# Altium PCB STB_LightBoard.PcbDoc (part 16 of 31) (continued)
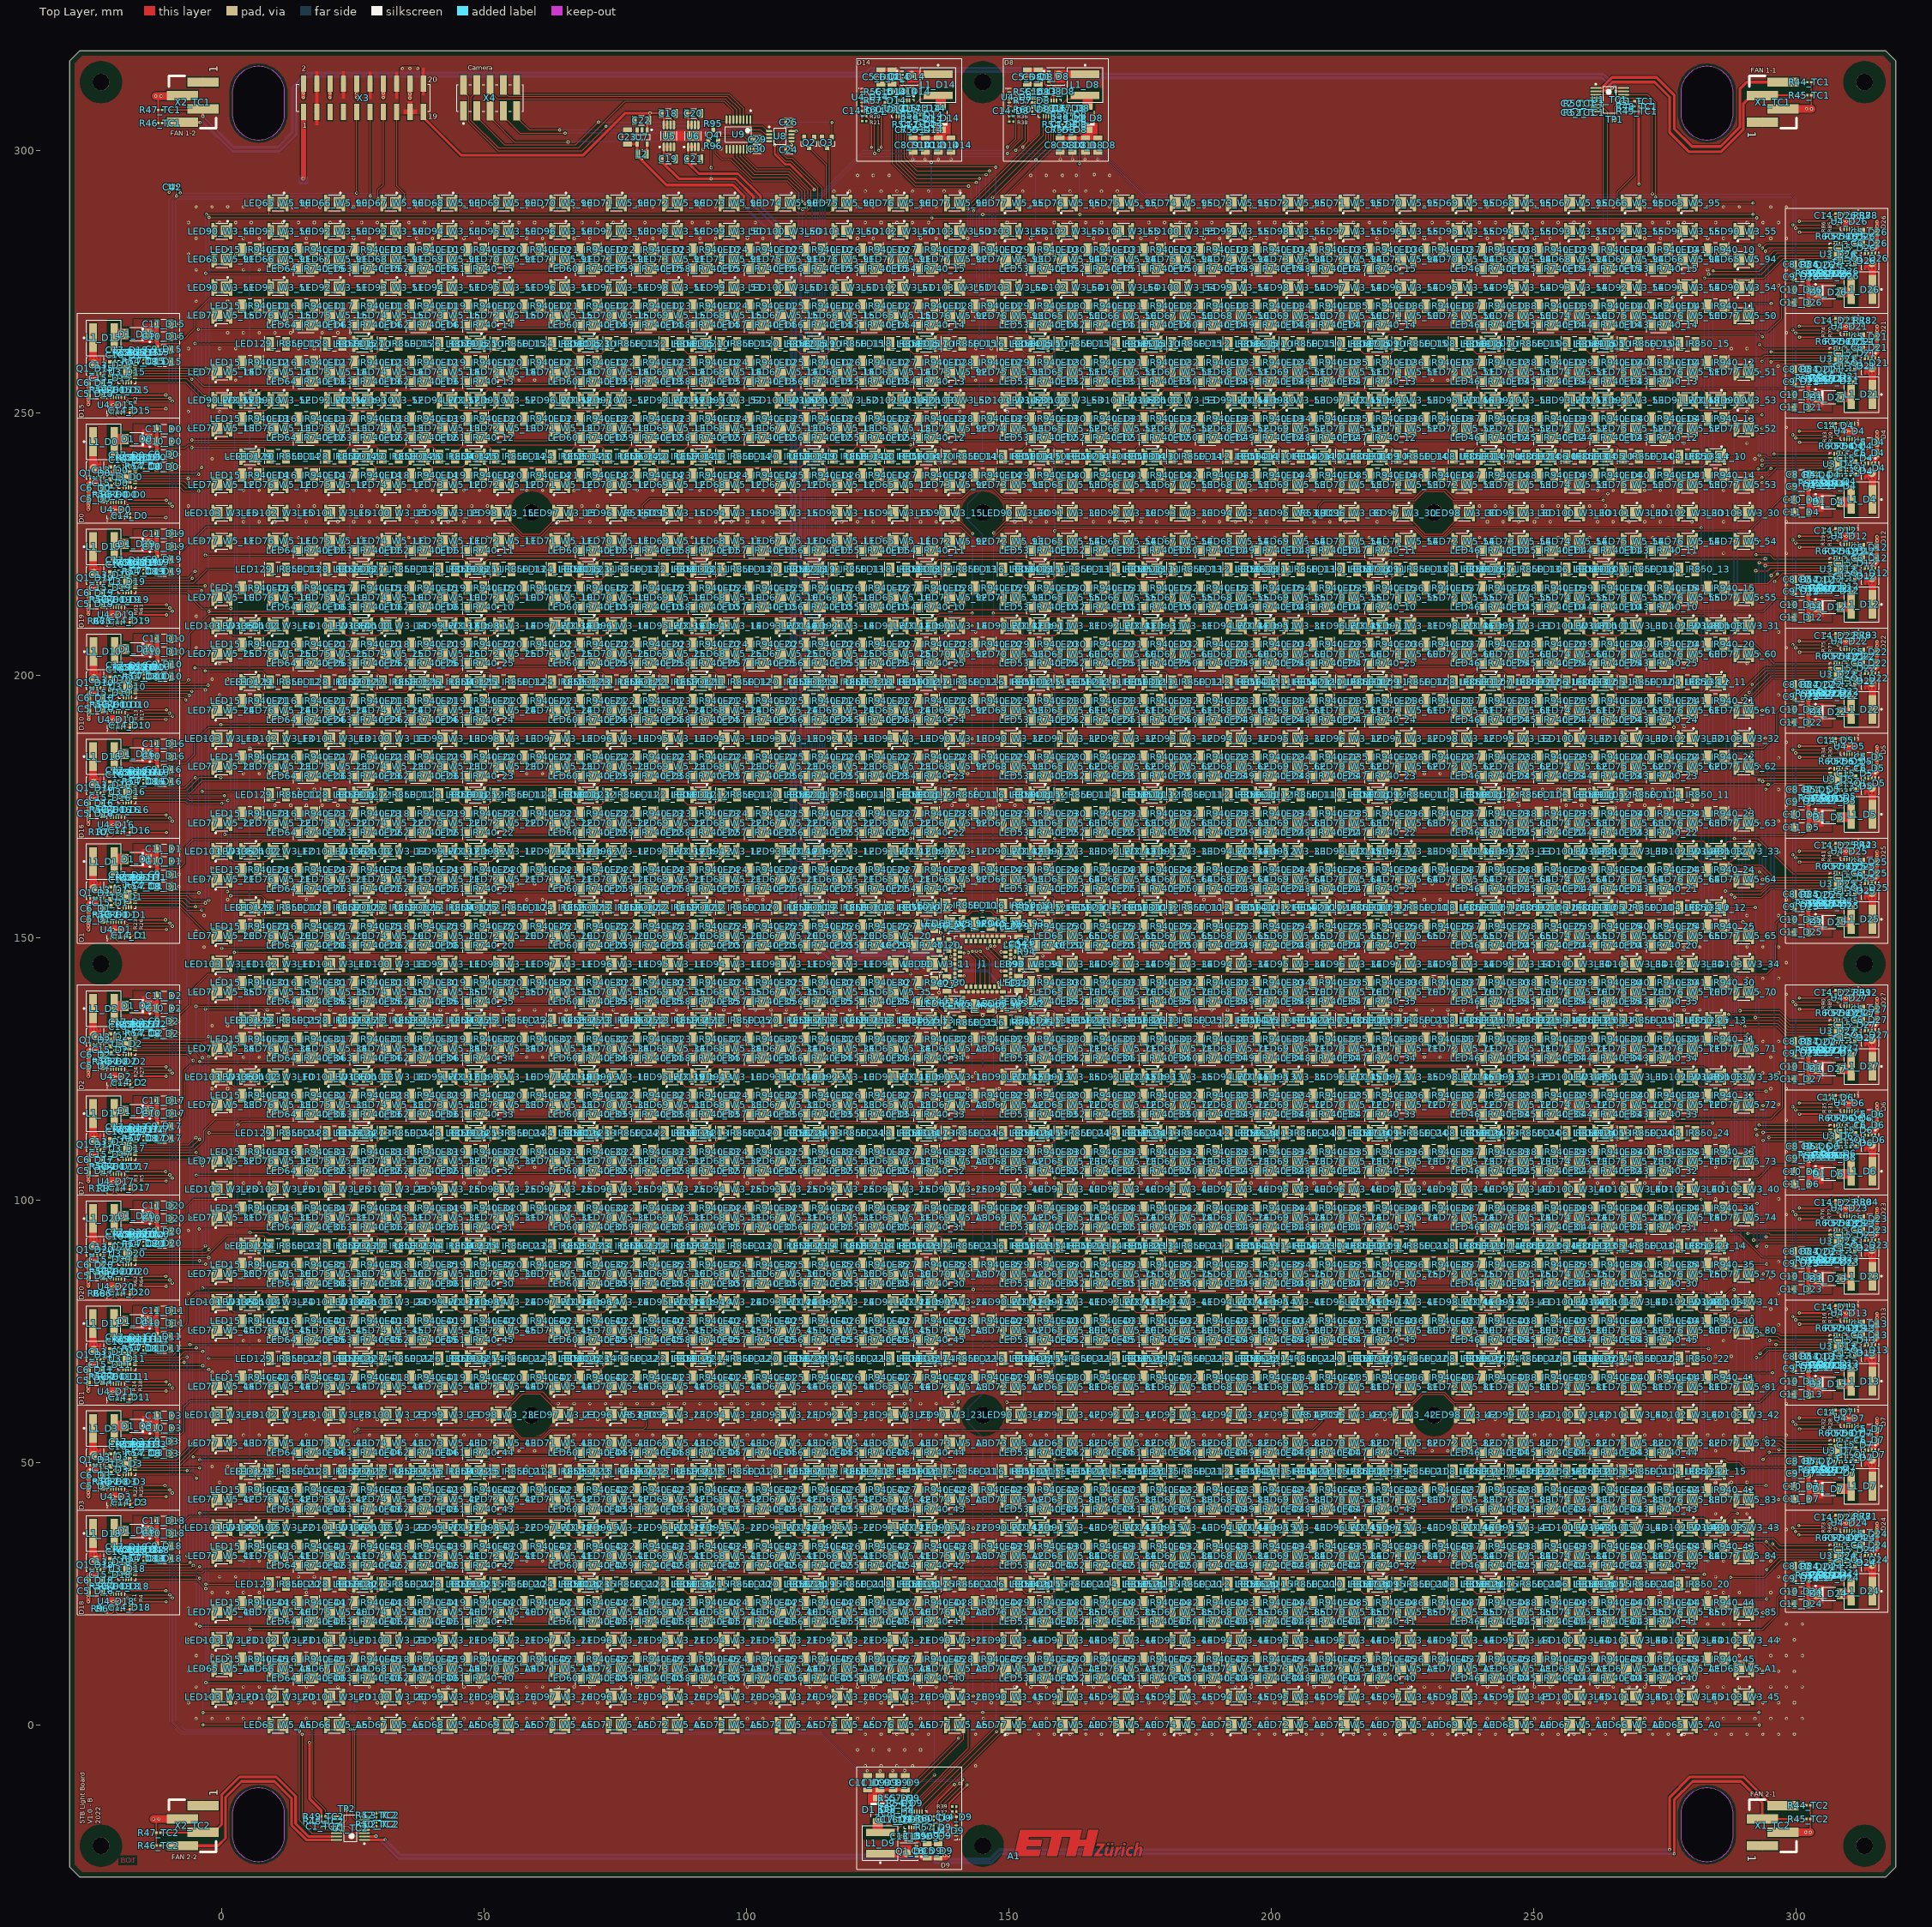
[diagram p0: Top Layer view]
## Nets (pads, with @x,y where several pads share a name; then routed paths per layer and width w, separated by ;. In a path a pad name is that pad's centre, name@x,y a point inside that pad or via, vN(x,y) a via of type N, cw(c..) or ccw(c..) an arc to the next point about the centre after c; other vN are vias at no path point) (continued)
I2C_SDA: U8.3 X4.7 | length 53.7
  Top Layer w0.2: X4.7@53.695,307.507 53.695,306.295 54.205,305.785 54.331,305.785 56.835,303.28 v1(65.439,303.28) ; v1@65.385,303.226 v1(65.439,303.28) ; v1@65.439,303.171 v1(65.439,303.28) ; v1(100.216,303.411) 100.229,303.398 101.213,303.398 101.219,303.404 102.596,303.404 103.527,302.473 104.227,302.473 U8.3@104.3,302.4
  Bottom Layer w0.2: v1(65.439,303.28) 65.504,303.346 100.151,303.346 v1(100.216,303.411)
I2C_SDA_D0: R57_D0.1 U3_D0.6 U4_D0.8 | length 4.7
  Top Layer w0.2: v1(-20.339,236.553) -20.338,236.552 -19.502,236.552 U3_D0.6@-19.5,236.55 ; U4_D0.8@-20.125,233 -20.125,234.164 -19.9,234.389 R57_D0.1@-19.875,234.389 -19.891,234.405 -19.891,234.996 v1(-19.907,235.012)
  Bottom Layer w0.2: v1(-20.339,236.553) -19.907,236.121 v1(-19.907,235.012)
I2C_SDA_D1: R57_D1.1 U3_D1.6 U4_D1.8 | length 4.7
  Top Layer w0.2: v1(-20.339,156.553) v1(-20.339,156.553) -19.502,156.552 U3_D1.6@-19.5,156.55 ; U4_D1.8@-20.125,153 -20.125,154.164 -19.9,154.389 R57_D1.1@-19.875,154.389 -19.891,154.405 -19.891,154.996 v1(-19.907,155.012)
  Bottom Layer w0.2: v1(-20.339,156.553) -19.907,156.121 v1(-19.907,155.012)
I2C_SDA_D2: R57_D2.1 U3_D2.6 U4_D2.8 | length 4.7
  Top Layer w0.2: v1(-20.339,128.553) -20.338,128.552 U3_D2.6@-19.5,128.55 U3_D2.6@-19.5,128.55 ; U4_D2.8@-20.125,125 -20.125,126.164 -19.9,126.389 R57_D2.1@-19.875,126.389 -19.891,126.405 -19.891,126.996 v1(-19.907,127.012)
  Bottom Layer w0.2: v1(-20.339,128.553) -19.907,128.121 v1(-19.907,127.012)
I2C_SDA_D3: R57_D3.1 U3_D3.6 U4_D3.8 | length 4.7
  Top Layer w0.2: v1(-20.339,48.553) -20.338,48.552 U3_D3.6@-19.5,48.55 U3_D3.6@-19.5,48.55 ; U4_D3.8@-20.125,45 -20.125,46.164 -19.9,46.389 R57_D3.1@-19.875,46.389 -19.891,46.405 -19.891,46.996 v1(-19.907,47.012)
  Bottom Layer w0.2: v1(-20.339,48.553) -19.907,48.121 v1(-19.907,47.012)
I2C_SDA_D4: R57_D4.1 U3_D4.6 U4_D4.8 | length 4.7
  Top Layer w0.2: U3_D4.6@309.5,241.45 U3_D4.6@309.5,241.45 310.338,241.448 v1(310.339,241.447) ; v1(309.907,242.988) 309.891,243.004 309.891,243.595 R57_D4.1@309.875,243.611 309.9,243.611 310.125,243.836 U4_D4.8@310.125,245
  Bottom Layer w0.2: v1(309.907,242.988) 309.907,241.879 v1(310.339,241.447)
I2C_SDA_D5: R57_D5.1 U3_D5.6 U4_D5.8 | length 4.7
  Top Layer w0.2: U3_D5.6@309.5,181.45 U3_D5.6@309.5,181.45 310.338,181.448 v1(310.339,181.447) ; v1(309.907,182.988) 309.891,183.004 309.891,183.595 R57_D5.1@309.875,183.611 309.9,183.611 310.125,183.836 U4_D5.8@310.125,185
  Bottom Layer w0.2: v1(309.907,182.988) 309.907,181.879 v1(310.339,181.447)
I2C_SDA_D6: R57_D6.1 U3_D6.6 U4_D6.8 | length 4.7
  Top Layer w0.2: U3_D6.6@309.5,113.45 309.502,113.448 v1(310.339,113.447) v1(310.339,113.447) ; v1(309.907,114.988) 309.891,115.004 309.891,115.595 R57_D6.1@309.875,115.611 309.9,115.611 310.125,115.836 U4_D6.8@310.125,117
  Bottom Layer w0.2: v1(309.907,114.988) 309.907,113.879 v1(310.339,113.447)
I2C_SDA_D7: R57_D7.1 U3_D7.6 U4_D7.8 | length 4.7
  Top Layer w0.2: U3_D7.6@309.5,53.45 309.502,53.448 310.338,53.448 v1(310.339,53.447) ; v1(309.907,54.988) 309.891,55.004 309.891,55.595 R57_D7.1@309.875,55.611 309.9,55.611 310.125,55.836 U4_D7.8@310.125,57
  Bottom Layer w0.2: v1(309.907,54.988) 309.907,53.879 v1(310.339,53.447)
I2C_SDA_D8: R57_D8.1 U3_D8.6 U4_D8.8 | length 4.7
  Top Layer w0.2: U4_D8.8@153,310.125 154.164,310.125 154.389,309.9 R57_D8.1@154.389,309.875 154.405,309.891 154.996,309.891 v1(155.012,309.907) ; U3_D8.6@156.55,309.5 156.552,309.502 v1(156.553,310.339) v1(156.553,310.339)
  Bottom Layer w0.2: v1(155.012,309.907) 156.121,309.907 v1(156.553,310.339)
I2C_SDA_D9: R57_D9.1 U3_D9.6 U4_D9.8 | length 4.7
  Top Layer w0.2: v1(133.447,-20.339) 133.448,-20.338 133.448,-19.502 U3_D9.6@133.45,-19.5 ; v1(134.988,-19.907) 135.004,-19.891 135.595,-19.891 R57_D9.1@135.611,-19.875 135.611,-19.9 135.836,-20.125 U4_D9.8@137,-20.125
  Bottom Layer w0.2: v1(133.447,-20.339) 133.879,-19.907 v1(134.988,-19.907)
I2C_SDA_D10: R57_D10.1 U3_D10.6 U4_D10.8 | length 4.7
  Top Layer w0.2: v1(-20.281,196.553) -20.28,196.552 -19.444,196.552 U3_D10.6@-19.442,196.55 ; U4_D10.8@-20.067,193 -20.067,194.164 -19.842,194.389 R57_D10.1@-19.817,194.389 -19.833,194.405 -19.833,194.996 v1(-19.849,195.012)
  Bottom Layer w0.2: v1(-20.281,196.553) -19.849,196.121 v1(-19.849,195.012)
I2C_SDA_D11: R57_D11.1 U3_D11.6 U4_D11.8 | length 4.7
  Top Layer w0.2: v1(-20.381,68.553) -20.38,68.552 -19.544,68.552 U3_D11.6@-19.542,68.55 ; U4_D11.8@-20.167,65 -20.167,66.164 -19.942,66.389 R57_D11.1@-19.917,66.389 -19.933,66.405 -19.933,66.996 v1(-19.949,67.012)
  Bottom Layer w0.2: v1(-20.381,68.553) -19.949,68.121 v1(-19.949,67.012)
I2C_SDA_D12: R57_D12.1 U3_D12.6 U4_D12.8 | length 4.7
  Top Layer w0.2: U3_D12.6@309.5,221.45 U3_D12.6@309.5,221.45 310.338,221.448 v1(310.339,221.447) ; v1(309.907,222.988) 309.891,223.004 309.891,223.595 R57_D12.1@309.875,223.611 309.9,223.611 310.125,223.836 U4_D12.8@310.125,225
  Bottom Layer w0.2: v1(309.907,222.988) 309.907,221.879 v1(310.339,221.447)
I2C_SDA_D13: R57_D13.1 U3_D13.6 U4_D13.8 | length 4.7
  Top Layer w0.2: U3_D13.6@309.5,73.45 309.502,73.448 310.338,73.448 v1(310.339,73.447) ; v1(309.907,74.988) 309.891,75.004 309.891,75.595 R57_D13.1@309.875,75.611 309.9,75.611 310.125,75.836 U4_D13.8@310.125,77
  Bottom Layer w0.2: v1(309.907,74.988) 309.907,73.879 v1(310.339,73.447)
I2C_SDA_D14: R57_D14.1 U3_D14.6 U4_D14.8 | length 4.7
  Top Layer w0.2: U4_D14.8@125,310.125 126.164,310.125 126.389,309.9 R57_D14.1@126.389,309.875 126.405,309.891 126.996,309.891 v1(127.012,309.907) ; U3_D14.6@128.55,309.5 U3_D14.6@128.55,309.5 128.552,310.338 v1(128.553,310.339)
  Bottom Layer w0.2: v1(127.012,309.907) 128.121,309.907 v1(128.553,310.339)
I2C_SDA_D15: R57_D15.1 U3_D15.6 U4_D15.8 | length 4.7
  Top Layer w0.2: v1(-20.339,256.553) -20.338,256.552 -19.502,256.552 U3_D15.6@-19.5,256.55 ; U4_D15.8@-20.125,253 -20.125,254.164 -19.9,254.389 R57_D15.1@-19.875,254.389 -19.891,254.405 -19.891,254.996 v1(-19.907,255.012)
  Bottom Layer w0.2: v1(-20.339,256.553) -19.907,256.121 v1(-19.907,255.012)
I2C_SDA_D16: R57_D16.1 U3_D16.6 U4_D16.8 | length 4.7
  Top Layer w0.2: v1(-20.339,176.553) -20.338,176.552 -19.502,176.552 U3_D16.6@-19.5,176.55 ; U4_D16.8@-20.125,173 -20.125,174.164 -19.9,174.389 R57_D16.1@-19.875,174.389 -19.891,174.405 -19.891,174.996 v1(-19.907,175.012)
  Bottom Layer w0.2: v1(-20.339,176.553) -19.907,176.121 v1(-19.907,175.012)
I2C_SDA_D17: R57_D17.1 U3_D17.6 U4_D17.8 | length 4.7
  Top Layer w0.2: v1(-20.339,108.553) -20.338,108.552 U3_D17.6@-19.5,108.55 U3_D17.6@-19.5,108.55 ; U4_D17.8@-20.125,105 -20.125,106.164 -19.9,106.389 R57_D17.1@-19.875,106.389 -19.891,106.405 -19.891,106.996 v1(-19.907,107.012)
  Bottom Layer w0.2: v1(-20.339,108.553) -19.907,108.121 v1(-19.907,107.012)
I2C_SDA_D18: R57_D18.1 U3_D18.6 U4_D18.8 | length 4.7
  Top Layer w0.2: v1(-20.339,28.553) -20.338,28.552 U3_D18.6@-19.5,28.55 U3_D18.6@-19.5,28.55 ; U4_D18.8@-20.125,25 -20.125,26.164 -19.9,26.389 R57_D18.1@-19.875,26.389 -19.891,26.405 -19.891,26.996 v1(-19.907,27.012)
  Bottom Layer w0.2: v1(-20.339,28.553) -19.907,28.121 v1(-19.907,27.012)
I2C_SDA_D19: R57_D19.1 U3_D19.6 U4_D19.8 | length 4.7
  Top Layer w0.2: v1(-20.339,216.553) -20.338,216.552 -19.502,216.552 U3_D19.6@-19.5,216.55 ; U4_D19.8@-20.125,213 -20.125,214.164 -19.9,214.389 R57_D19.1@-19.875,214.389 -19.891,214.405 -19.891,214.996 v1(-19.907,215.012)
  Bottom Layer w0.2: v1(-20.339,216.553) -19.907,216.121 v1(-19.907,215.012)
I2C_SDA_D20: R57_D20.1 U3_D20.6 U4_D20.8 | length 4.7
  Top Layer w0.2: v1(-20.339,88.553) -20.338,88.552 U3_D20.6@-19.5,88.55 U3_D20.6@-19.5,88.55 ; U4_D20.8@-20.125,85 -20.125,86.164 -19.9,86.389 R57_D20.1@-19.875,86.389 -19.891,86.405 -19.891,86.996 v1(-19.907,87.012)
  Bottom Layer w0.2: v1(-20.339,88.553) -19.907,88.121 v1(-19.907,87.012)
I2C_SDA_D21: R57_D21.1 U3_D21.6 U4_D21.8 | length 4.7
  Top Layer w0.2: U3_D21.6@309.5,261.45 U3_D21.6@309.5,261.45 310.338,261.448 v1(310.339,261.447) ; v1(309.907,262.988) 309.891,263.004 309.891,263.595 R57_D21.1@309.875,263.611 309.9,263.611 310.125,263.836 U4_D21.8@310.125,265
  Bottom Layer w0.2: v1(309.907,262.988) 309.907,261.879 v1(310.339,261.447)
I2C_SDA_D22: R57_D22.1 U3_D22.6 U4_D22.8 | length 4.7
  Top Layer w0.2: U3_D22.6@309.5,201.45 U3_D22.6@309.5,201.45 310.338,201.448 v1(310.339,201.447) ; v1(309.907,202.988) 309.891,203.004 309.891,203.595 R57_D22.1@309.875,203.611 309.9,203.611 310.125,203.836 U4_D22.8@310.125,205
  Bottom Layer w0.2: v1(309.907,202.988) 309.907,201.879 v1(310.339,201.447)
I2C_SDA_D23: R57_D23.1 U3_D23.6 U4_D23.8 | length 4.7
  Top Layer w0.2: U3_D23.6@309.5,93.45 309.502,93.448 v1(310.339,93.447) v1(310.339,93.447) ; v1(309.907,94.988) 309.891,95.004 309.891,95.595 R57_D23.1@309.875,95.611 309.9,95.611 310.125,95.836 U4_D23.8@310.125,97
  Bottom Layer w0.2: v1(309.907,94.988) 309.907,93.879 v1(310.339,93.447)
I2C_SDA_D24: R57_D24.1 U3_D24.6 U4_D24.8 | length 4.7
  Top Layer w0.2: U3_D24.6@309.5,33.45 309.502,33.448 310.338,33.448 v1(310.339,33.447) ; v1(309.907,34.988) 309.891,35.004 309.891,35.595 R57_D24.1@309.875,35.611 309.9,35.611 310.125,35.836 U4_D24.8@310.125,37
  Bottom Layer w0.2: v1(309.907,34.988) 309.907,33.879 v1(310.339,33.447)
I2C_SDA_D25: R57_D25.1 U3_D25.6 U4_D25.8 | length 4.7
  Top Layer w0.2: U3_D25.6@309.5,161.45 U3_D25.6@309.5,161.45 310.338,161.448 v1(310.339,161.447) ; v1(309.907,162.988) 309.891,163.004 309.891,163.595 R57_D25.1@309.875,163.611 309.9,163.611 310.125,163.836 U4_D25.8@310.125,165
  Bottom Layer w0.2: v1(309.907,162.988) 309.907,161.879 v1(310.339,161.447)
I2C_SDA_D26: R57_D26.1 U3_D26.6 U4_D26.8 | length 4.7
  Top Layer w0.2: U3_D26.6@309.5,281.45 U3_D26.6@309.5,281.45 310.338,281.448 v1(310.339,281.447) ; v1(309.907,282.988) 309.891,283.004 309.891,283.595 R57_D26.1@309.875,283.611 309.9,283.611 310.125,283.836 U4_D26.8@310.125,285
  Bottom Layer w0.2: v1(309.907,282.988) 309.907,281.879 v1(310.339,281.447)
I2C_SDA_D27: R57_D27.1 U3_D27.6 U4_D27.8 | length 4.7
  Top Layer w0.2: U3_D27.6@309.5,133.45 309.502,133.448 v1(310.339,133.447) v1(310.339,133.447) ; v1(309.907,134.988) 309.891,135.004 309.891,135.595 R57_D27.1@309.875,135.611 309.9,135.611 310.125,135.836 U4_D27.8@310.125,137
  Bottom Layer w0.2: v1(309.907,134.988) 309.907,133.879 v1(310.339,133.447)
IO_CAM_GPIO0: J1.5
IO_CAM_GPIO1: J1.4
IO_CAM_GPIO2: J1.3
IO_CAM_VSYNC: J1.2 Q4.2 R96.2 | length 193.5
  Top Layer w0.2: Q4.2@94.6,301.85 94.417,301.667 94.417,301.217 R96.2@94.05,300.85 94.05,299.55 95.289,298.311 96.947,298.311 101.052,294.206 107.694,294.206 109.995,291.905 109.995,290.069 110,290.065 v1(110,289.1) ; J1.2@140.69,147.25 140.771,147.169 141.357,147.169 v1(141.434,147.091)
  Bottom Layer w0.2: v1(110,289.1) 110,283.3 111.202,282.098 111.202,154.713 118.113,147.803 140.723,147.803 v1(141.434,147.091)
NetC2_TC1_1: C2_TC1.1 C3_TC1.2 R50_TC1.1 R52_TC1.2 U1_TC1.7 | length 6.2
  Top Layer w0.2: C2_TC1.1@258.5,308.518 258.505,308.513 258.505,308.037 ; C3_TC1.2@258.51,307.555 258.505,307.56 258.505,308.037 ; R50_TC1.1@259.544,308.528 259.553,308.519 259.553,308.037 ; R52_TC1.2@259.563,307.545 259.553,307.555 259.553,308.037 ; U1_TC1.7@262.69,308.068 U1_TC1.7@261.815,308.068 259.585,308.068 259.553,308.037 ; 258.505,308.037 259.553,308.037
NetC2_TC1_2: C2_TC1.2 R50_TC1.2 R51_TC1.2 U1_TC1.6 | length 268.6
  Top Layer w0.2: R51_TC1.2@80.178,230.91 80.178,232.378 81.5,233.7 141,233.7 142.969,235.669 146.938,235.669 148.906,233.7 227.17,233.7 228.956,235.486 233.165,235.486 234.88,233.77 262.37,233.77 263.2,234.6 v1(264.1,234.6) ; C2_TC1.2@258.431,309.279 258.45,309.298 C2_TC1.2@258.5,309.298 259.605,309.298 260.2,308.703 U1_TC1.6@261.815,308.703 262.69,308.703 264.104,307.289 264.104,289.738 v1(264.073,289.706)
  Bottom Layer w0.2: v1@264.073,234.6 v1(264.073,289.706)
NetC2_TC2_1: C2_TC2.1 C3_TC2.2 R50_TC2.1 R52_TC2.2 U1_TC2.7 | length 5.3
  Top Layer w0.2: U1_TC2.7@27.185,-18.068 29.447,-18.068 ; R52_TC2.2@29.437,-17.545 29.447,-17.555 29.447,-18.068 ; R50_TC2.1@29.456,-18.528 29.447,-18.519 29.447,-18.068 ; C3_TC2.2@30.49,-17.555 30.495,-17.56 30.495,-18.037 ; C2_TC2.1@30.5,-18.518 30.495,-18.513 30.495,-18.037 ; 29.447,-18.068 30.464,-18.068 30.495,-18.037
NetC2_TC2_2: C2_TC2.2 R50_TC2.2 R51_TC2.2 U1_TC2.6 | length 268
  Top Layer w0.2: v1(24.5,-0.791) 24.5,-0.8 25,-1.3 25,-17.6 26.075,-18.675 27.157,-18.675 U1_TC2.6@27.185,-18.703 28.511,-18.703 29.049,-19.241 29.419,-19.241 R50_TC2.2@29.456,-19.278 ; v1(25.383,55.807) 25.389,55.8 26.4,55.8 26.624,56.024 55.337,56.024 57.01,54.351 61.149,54.351 61.994,55.196 61.994,55.204 62.839,56.049 207.849,56.049 209.809,58.009 R51_TC2.2@209.809,59.07 ; R50_TC2.2@29.466,-19.288 30.49,-19.288 C2_TC2.2@30.5,-19.298
  Bottom Layer w0.2: v1(24.5,-0.791) 24.5,24.3 25.383,25.183 v1(25.383,55.807)
NetC3_TC1_1: C3_TC1.1 R52_TC1.1 R53_TC1.2 U1_TC1.8 | length 137.2
  Top Layer w0.2: R53_TC1.2@209,231.095 209,232.249 209.986,233.235 227.376,233.235 229.195,235.054 232.878,235.054 234.605,233.327 263.247,233.327 v1(263.272,233.351) ; v1(263.293,289.728) 263.293,306.831 262.739,307.384 261.864,307.384 U1_TC1.8@261.815,307.433 260.283,307.433 R52_TC1.1@259.625,306.775 ; C3_TC1.1@258.567,306.775 258.523,306.732 258.538,306.747 C3_TC1.1@258.567,306.775 ; C3_TC1.1@258.567,306.775 R52_TC1.1@259.625,306.775 ; C3_TC1.1@258.567,306.775 R52_TC1.1@259.625,306.775
  Bottom Layer w0.2: v1(263.272,233.351) 263.282,233.361 263.282,289.717 v1(263.293,289.728)
NetC3_TC2_1: C3_TC2.1 R52_TC2.1 R53_TC2.2 U1_TC2.8 | length 136.7
  Top Layer w0.2: v1@25.355,-0.734 25.355,-16.555 U1_TC2.8@26.227,-17.427 ; v1(25.944,56.376) 55.483,56.376 57.156,54.703 60.995,54.703 62.721,56.429 80.447,56.429 80.9,56.882 R53_TC2.2@80.9,59.029 ; U1_TC2.8@27.185,-17.433 28.374,-17.433 29.029,-16.779 29.434,-16.779 29.437,-16.775 C3_TC2.1@30.49,-16.775
  Bottom Layer w0.2: v1(25.306,-0.684) 25.306,23.906 26,24.6 v1@26,56.359
NetC7_D0_1: C7_D0.1 C12_D0.2 R54_D0.1 R55_D0.1 U3_D0.16 | length 4.9
  Top Layer w0.2: U3_D0.16@-16.5,239.05 -16.481,239.069 -16.034,239.069 -15.377,239.726 -15.377,239.729 -15.229,239.877 -15.226,239.877 -15.028,240.075 -15.025,240.075 R54_D0.1@-14.9,240.2 ; C12_D0.2@-14.895,241.105 C12_D0.2@-14.9,241.11 R54_D0.1@-14.9,240.2 ; C7_D0.1@-13.905,240.195 -14.895,240.195 R54_D0.1@-14.9,240.2 ; R55_D0.1@-13.905,241.105 R55_D0.1@-13.9,241.1 C7_D0.1@-13.9,240.19
NetC7_D0_2: C7_D0.2 C8_D0.1 C9_D0.1 C10_D0.1 C11_D0.1 D1_D0.1 LED65_W5_10.2 LED65_W5_11.2 LED65_W5_12.2 LED65_W5_13.2 LED65_W5_14.2 LED65_W5_15.2 R54_D0.2 | length 215
  Top Layer w0.2: R54_D0.2@-14.9,239.4 -14.895,239.405 -13.905,239.405 C7_D0.2@-13.9,239.41 -12.43,239.41 C8_D0.1@-12.38,239.36 ; -12.348,243.352 -12.276,243.279 -6.972,243.279 -6.344,243.908 v1@131.292,243.908 ; LED65_W5_10.2@130.592,214.825 v1(131.275,214.825) ; LED65_W5_11.2@130.592,225.565 v1(131.275,225.565) ; LED65_W5_12.2@130.592,236.305 v1(131.275,236.305) ; LED65_W5_13.2@130.592,247.045 v1(131.275,247.045) ; LED65_W5_14.2@130.592,257.785 v1(131.275,257.785) ; LED65_W5_15.2@130.592,268.525 v1(131.275,268.525)
  Bottom Layer w0.2: v1(131.275,214.825) v1(131.275,225.565) v1(131.275,236.305) ; v1(131.275,268.525) v1(131.275,257.785) v1(131.275,247.045) ; v1(131.275,236.305) v1(131.275,247.045) ; v1(131.275,236.305) v1(131.275,247.045)
  other v1: 131.3,243.9
NetC7_D1_1: C7_D1.1 C12_D1.2 R54_D1.1 R55_D1.1 U3_D1.16 | length 4.9
  Top Layer w0.2: U3_D1.16@-16.5,159.05 -16.481,159.069 -16.062,159.069 -15.056,160.075 -15.025,160.075 R54_D1.1@-14.9,160.2 ; C12_D1.2@-14.9,161.11 R54_D1.1@-14.9,160.2 ; R55_D1.1@-13.9,161.1 -13.9,160.2 -13.905,160.195 -14.895,160.195 R54_D1.1@-14.9,160.2
NetC7_D1_2: C7_D1.2 C8_D1.1 C9_D1.1 C10_D1.1 C11_D1.1 D1_D1.1 LED65_W5_20.2 LED65_W5_21.2 LED65_W5_22.2 LED65_W5_23.2 LED65_W5_24.2 LED65_W5_25.2 R54_D1.2 | length 211.1
  Top Layer w0.2: C9_D1.1@-12.575,161.86 C9_D1.1@-12.364,162.071 ; -12.402,163.286 -8.014,163.286 -7.1,164.2 -7.1,167.1 -5.448,168.752 131.043,168.752 131.191,168.9 v1(131.3,168.9) ; C8_D1.1@-12.364,159.753 -12.364,159.576 C8_D1.1@-12.541,159.4 ; C11_D1.1@-12.364,166.953 C11_D1.1@-12.364,167.484 ; LED65_W5_20.2@130.592,150.385 130.592,151.66 131.174,152.242 v1(131.238,152.242) ; LED65_W5_21.2@130.592,161.125 v1(131.275,161.125) ; LED65_W5_22.2@130.592,171.865 v1(131.275,171.865) ; LED65_W5_23.2@130.592,182.605 v1(131.275,182.605) ; LED65_W5_24.2@130.592,193.345 v1(131.275,193.345) ; LED65_W5_25.2@130.592,204.085 v1(131.275,204.085) ; C8_D1.1@-12.541,159.4 R54_D1.2@-14.9,159.4 C8_D1.1@-12.541,159.4
  Bottom Layer w0.2: v1(131.238,152.242) 131.256,152.261 131.256,161.106 v1(131.275,161.125) 131.275,168.9 v1(131.275,171.865) v1(131.275,182.605) v1(131.275,193.345) v1(131.275,204.085)
NetC7_D2_1: C7_D2.1 C12_D2.2 R54_D2.1 R55_D2.1 U3_D2.16 | length 4.9
  Top Layer w0.2: U3_D2.16@-16.5,131.05 -16.481,131.069 -16.045,131.069 -15.039,132.075 -15.025,132.075 R54_D2.1@-14.9,132.2 ; C12_D2.2@-14.9,133.11 R54_D2.1@-14.9,132.2 ; R55_D2.1@-13.9,133.1 C7_D2.1@-13.9,132.19 -13.905,132.195 -14.895,132.195 R54_D2.1@-14.9,132.2
NetC7_D2_2: C7_D2.2 C8_D2.1 C9_D2.1 C10_D2.1 C11_D2.1 D1_D2.1 LED65_W5_30.2 LED65_W5_31.2 LED65_W5_32.2 LED65_W5_33.2 LED65_W5_34.2 LED65_W5_35.2 R54_D2.2 | length 215
  Top Layer w0.2: -12.402,135.286 -8.014,135.286 -6.1,137.2 -6.1,139.6 -2.6,143.1 v1(131.3,143.1) ; C8_D2.1@-12.364,131.753 C8_D2.1@-12.718,131.4 ; C11_D2.1@-12.364,138.953 C11_D2.1@-12.364,139.484 ; LED65_W5_30.2@130.592,85.945 v1(131.275,85.945) ; LED65_W5_31.2@130.592,96.685 130.602,96.675 v1(131.275,96.675) ; LED65_W5_32.2@130.592,107.425 v1(131.275,107.425) ; LED65_W5_33.2@130.592,118.165 v1(131.275,118.165) ; LED65_W5_34.2@130.592,128.905 v1(131.275,128.905) ; LED65_W5_35.2@130.592,139.645 v1(131.275,139.645) ; C8_D2.1@-12.718,131.4 R54_D2.2@-14.9,131.4 C8_D2.1@-12.718,131.4
  Bottom Layer w0.2: v1(131.275,85.945) v1(131.275,96.675) v1(131.275,107.425) v1(131.275,118.165) v1(131.275,128.905) v1(131.275,139.645) 131.288,139.657 131.288,143.088 v1(131.3,143.1)
NetC7_D3_1: C7_D3.1 C12_D3.2 R54_D3.1 R55_D3.1 U3_D3.16 | length 4.9
  Top Layer w0.2: U3_D3.16@-16.5,51.05 -16.481,51.069 -16.114,51.069 -15.108,52.075 -15.025,52.075 R54_D3.1@-14.9,52.2 ; C12_D3.2@-14.9,53.11 R54_D3.1@-14.9,52.2 ; R55_D3.1@-13.9,53.1 C7_D3.1@-13.9,52.18 -13.91,52.19 -14.89,52.19 R54_D3.1@-14.9,52.2
NetC7_D3_2: C7_D3.2 C8_D3.1 C9_D3.1 C10_D3.1 C11_D3.1 D1_D3.1 LED65_W5_40.2 LED65_W5_41.2 LED65_W5_42.2 LED65_W5_43.2 LED65_W5_44.2 LED65_W5_45.2 R54_D3.2 | length 217.1
  Top Layer w0.2: C9_D3.1@-12.575,53.861 C9_D3.1@-12.364,54.071 ; -12.4,55 -12.4,55.156 -12.156,55.4 -7.8,55.4 -7.278,55.922 -7.278,60.542 -6.02,61.8 55.3,61.8 57,63.5 61.1,63.5 62.7,61.9 131.311,61.9 v1(131.334,61.923) ; C8_D3.1@-12.364,51.753 C8_D3.1@-12.718,51.4 ; C10_D3.1@-12.364,56.543 C11_D3.1@-12.364,58.953 -12.364,59.484 -12.156,59.692 C11_D3.1@-12.008,59.692 ; LED65_W5_40.2@130.592,21.505 v1(131.275,21.505) ; LED65_W5_41.2@130.592,32.245 v1(131.275,32.245) ; LED65_W5_42.2@130.592,42.985 v1(131.275,42.985) ; LED65_W5_43.2@130.592,53.725 v1(131.275,53.725) ; LED65_W5_44.2@130.592,64.465 v1(131.275,64.465) ; LED65_W5_45.2@130.592,75.205 v1(131.275,75.205) ; C8_D3.1@-12.718,51.4 R54_D3.2@-14.9,51.4 C8_D3.1@-12.718,51.4
  Bottom Layer w0.2: v1(131.275,21.505) v1(131.275,32.245) v1(131.275,42.985) v1(131.275,53.725) 131.305,53.754 131.305,61.893 v1(131.334,61.923) 131.305,61.952 131.305,64.435 v1(131.275,64.465) v1(131.275,75.205)
NetC7_D4_1: C7_D4.1 C12_D4.2 R54_D4.1 R55_D4.1 U3_D4.16 | length 4.9
  Top Layer w0.2: R55_D4.1@303.9,236.9 C7_D4.1@303.9,237.81 303.905,237.805 304.895,237.805 R54_D4.1@304.9,237.8 ; C12_D4.2@304.9,236.89 R54_D4.1@304.9,237.8 ; U3_D4.16@306.5,238.95 306.481,238.931 306.039,238.931 305.034,237.925 305.025,237.925 R54_D4.1@304.9,237.8
NetC7_D4_2: C7_D4.2 C8_D4.1 C9_D4.1 C10_D4.1 C11_D4.1 D1_D4.1 LED65_W5_50.2 LED65_W5_51.2 LED65_W5_52.2 LED65_W5_53.2 LED65_W5_54.2 LED65_W5_55.2 R54_D4.2 | length 223
  Top Layer w0.2: v1(158.7,227.5) 159.148,227.948 227.154,227.948 228.954,226.148 232.979,226.148 234.579,227.748 280.4,227.748 280.602,227.546 291,227.546 298.168,234.714 302.402,234.714 ; v1(158.732,214.8) LED65_W5_55.2@159.415,214.8 ; v1(158.732,225.54) LED65_W5_54.2@159.415,225.54 ; v1(158.732,236.28) LED65_W5_53.2@159.415,236.28 ; v1(158.732,247.02) LED65_W5_52.2@159.415,247.02 ; v1(158.732,257.76) LED65_W5_51.2@159.415,257.76 ; v1(158.732,268.5) LED65_W5_50.2@159.415,268.5 ; C11_D4.1@302.002,230.238 302.002,230.684 C11_D4.1@302.364,231.047 ; C8_D4.1@302.364,238.247 302.364,238.424 C8_D4.1@302.541,238.6 ; C8_D4.1@302.541,238.6 R54_D4.2@304.9,238.6 C8_D4.1@302.541,238.6
  Bottom Layer w0.2: v1(158.732,214.8) v1(158.732,225.54) ; v1(158.732,268.5) v1(158.732,257.76) v1(158.732,247.02) v1(158.732,236.28) ; v1(158.732,225.54) v1(158.732,236.28) ; v1(158.732,225.54) v1(158.732,236.28)
NetC7_D5_1: C7_D5.1 C12_D5.2 R54_D5.1 R55_D5.1 U3_D5.16 | length 5.9
  Top Layer w0.2: R55_D5.1@303.9,176.9 C7_D5.1@303.9,177.81 ; C12_D5.2@304.9,176.89 R54_D5.1@304.9,177.8 ; U3_D5.16@306.5,178.95 306.481,178.931 306.064,178.931 305.058,177.925 305.015,177.925 R54_D5.1@304.9,177.81 ; C7_D5.1@303.9,177.81 R54_D5.1@304.9,177.81 ; C7_D5.1@303.9,177.81 R54_D5.1@304.9,177.81
NetC7_D5_2: C7_D5.2 C8_D5.1 C9_D5.1 C10_D5.1 C11_D5.1 D1_D5.1 LED65_W5_60.2 LED65_W5_61.2 LED65_W5_62.2 LED65_W5_63.2 LED65_W5_64.2 LED65_W5_65.2 R54_D5.2 | length 218.6
  Top Layer w0.2: v1(158.7,168.9) 158.846,168.754 276.954,168.754 277.654,169.454 301.159,169.454 302.364,170.659 C11_D5.1@302.364,171.047 ; v1(158.732,150.36) LED65_W5_65.2@159.415,150.36 ; v1(158.732,161.1) LED65_W5_64.2@159.415,161.1 ; v1(158.732,171.84) LED65_W5_63.2@159.415,171.84 ; v1(158.732,182.58) LED65_W5_62.2@159.415,182.58 ; v1(158.732,193.32) LED65_W5_61.2@159.415,193.32 ; v1(158.732,204.06) LED65_W5_60.2@159.415,204.06 ; C8_D5.1@302.364,178.247 302.364,178.424 C8_D5.1@302.541,178.6 ; C8_D5.1@302.541,178.6 R54_D5.2@304.9,178.6 C8_D5.1@302.541,178.6
  Bottom Layer w0.2: v1(158.732,150.36) v1(158.732,161.1) ; v1(158.732,204.06) v1(158.732,193.32) v1(158.732,182.58) v1(158.732,171.84) ; v1(158.732,161.1) v1(158.732,171.84) ; v1(158.732,161.1) v1(158.732,171.84)
NetC7_D6_1: C7_D6.1 C12_D6.2 R54_D6.1 R55_D6.1 U3_D6.16 | length 4.9
  Top Layer w0.2: R55_D6.1@303.9,108.9 C7_D6.1@303.9,109.81 303.91,109.8 C7_D6.1@303.915,109.805 ; C7_D6.1@303.91,109.8 C7_D6.1@303.915,109.805 ; C12_D6.2@304.9,108.89 R54_D6.1@304.9,109.8 ; U3_D6.16@306.5,110.95 306.481,110.931 306.034,110.931 305.377,110.274 305.377,110.271 305.229,110.123 305.223,110.123 R54_D6.1@304.9,109.8 ; C7_D6.1@303.915,109.805 304.895,109.805 R54_D6.1@304.9,109.8
NetC7_D6_2: C7_D6.2 C8_D6.1 C9_D6.1 C10_D6.1 C11_D6.1 D1_D6.1 LED65_W5_70.2 LED65_W5_71.2 LED65_W5_72.2 LED65_W5_73.2 LED65_W5_74.2 LED65_W5_75.2 R54_D6.2 | length 218.7
  Top Layer w0.2: v1(158.7,104.2) 292.8,104.2 295.314,106.714 302.402,106.714 ; v1(158.732,85.92) LED65_W5_75.2@159.415,85.92 ; v1(158.732,96.66) LED65_W5_74.2@159.415,96.66 ; v1(158.732,107.4) LED65_W5_73.2@159.415,107.4 ; v1(158.732,118.14) LED65_W5_72.2@159.415,118.14 ; v1(158.732,128.88) LED65_W5_71.2@159.415,128.88 ; v1(158.732,139.62) LED65_W5_70.2@159.415,139.62 ; C9_D6.1@302.364,107.929 C9_D6.1@302.575,108.139 ; C8_D6.1@302.364,110.247 C8_D6.1@302.718,110.6 ; 302.5,104.2 302.7,104.4 ; C8_D6.1@302.718,110.6 R54_D6.2@304.9,110.6 C8_D6.1@302.718,110.6
  Bottom Layer w0.2: v1(158.732,85.92) v1(158.732,96.66) ; v1(158.732,139.62) v1(158.732,128.88) v1(158.732,118.14) v1(158.732,107.4) ; v1(158.732,96.66) v1(158.732,107.4) ; v1(158.732,96.66) v1(158.732,107.4)
NetC7_D7_1: C7_D7.1 C12_D7.2 R54_D7.1 R55_D7.1 U3_D7.16 | length 4.9
  Top Layer w0.2: R55_D7.1@303.9,49 C7_D7.1@303.9,49.91 303.905,49.905 304.895,49.905 R54_D7.1@304.9,49.9 ; C12_D7.2@304.9,48.99 R54_D7.1@304.9,49.9 ; U3_D7.16@306.5,50.95 306.481,50.931 306.047,50.931 305.141,50.025 305.025,50.025 R54_D7.1@304.9,49.9
NetC7_D7_2: C7_D7.2 C8_D7.1 C9_D7.1 C10_D7.1 C11_D7.1 D1_D7.1 LED65_W5_80.2 LED65_W5_81.2 LED65_W5_82.2 LED65_W5_83.2 LED65_W5_84.2 LED65_W5_85.2 R54_D7.2 | length 217.7
  Top Layer w0.2: v1(158.7,50.6) 286.297,50.6 286.897,50 289.1,50 290.003,49.097 302.103,49.097 302.2,49 ; v1(158.732,21.48) LED65_W5_85.2@159.415,21.48 ; v1(158.732,32.22) LED65_W5_84.2@159.415,32.22 ; v1(158.732,42.96) LED65_W5_83.2@159.415,42.96 ; v1(158.732,53.7) LED65_W5_82.2@159.415,53.7 ; v1(158.732,64.44) LED65_W5_81.2@159.415,64.44 ; v1(158.732,75.18) LED65_W5_80.2@159.415,75.18 ; C8_D7.1@302.364,50.247 302.364,50.337 C8_D7.1@302.727,50.7 ; C8_D7.1@302.727,50.7 R54_D7.2@304.9,50.7 C8_D7.1@302.727,50.7
  Bottom Layer w0.2: v1(158.732,21.48) v1(158.732,32.22) v1(158.732,42.96) ; v1(158.732,75.18) v1(158.732,64.44) v1(158.732,53.7) ; v1(158.732,42.96) v1(158.732,53.7) ; v1(158.732,42.96) v1(158.732,53.7)
NetC7_D8_1: C7_D8.1 C12_D8.2 R54_D8.1 R55_D8.1 U3_D8.16 | length 4.8
  Top Layer w0.2: U3_D8.16@159.05,306.5 159.069,306.481 159.069,306.1 160.088,305.081 160.088,305.05 R54_D8.1@160.213,304.925 ; R55_D8.1@161.061,303.925 C7_D8.1@160.181,303.925 160.197,303.941 160.197,304.909 R54_D8.1@160.213,304.925 ; C12_D8.2@161.071,304.925 R54_D8.1@160.213,304.925
NetC7_D8_2: C7_D8.2 C8_D8.1 C9_D8.1 C10_D8.1 C11_D8.1 D1_D8.1 LED65_W5_90.2 LED65_W5_91.2 LED65_W5_92.2 LED65_W5_93.2 LED65_W5_94.2 LED65_W5_95.2 R54_D8.2 | length 501.2
  Top Layer w0.2: v1(-2.96,279.24) LED65_W5_91.2@-1.7,279.24 ; v1(-2.922,287.825) -2.904,287.807 9.1,287.807 ; LED65_W5_90.2@9.041,289.98 9.041,287.866 9.1,287.807 ; LED65_W5_92.2@141.333,152.76 141.333,154.035 141.533,154.235 142.235,154.235 143.08,155.08 146.42,155.08 147.265,154.235 148.474,154.235 148.674,154.035 LED65_W5_93.2@148.674,152.76 ; R54_D8.2@159.413,304.925 159.413,302.705 C8_D8.1@159.753,302.365 ; C9_D8.1@161.86,302.575 C9_D8.1@162.071,302.365 ; 163.352,302.29 159.704,302.29 162.071,302.18 163.302,302.18 163.441,302.04 163.441,297.541 v1(163.4,297.5) ; C10_D8.1@165.265,302.03 165.599,302.365 C11_D8.1@166.953,302.365 ; LED65_W5_95.2@280.376,289.98 LED65_W5_95.2@280.966,289.98 v1(291.78,289.98) ; LED65_W5_94.2@291.707,279.24 v1(291.707,281.293) ; v1(291.755,287.835) 291.738,287.817 163.517,287.817 v1(163.5,287.8) 163.496,287.804 145.007,287.804 v1(145.004,287.807) 9.1,287.807
  Bottom Layer w0.2: v1@-2.972,287.775 -2.972,279.252 v1(-2.96,279.24) ; v1(144.966,155.08) 144.985,155.098 144.985,226.8 142.189,229.595 142.189,232.689 144.985,235.485 144.985,287.788 v1(145.004,287.807) ; v1(163.4,297.5) 163.45,297.45 163.45,287.85 v1(163.5,287.8) ; v1(291.707,281.293) 291.731,281.317 v1@291.731,287.81 ; v1@291.768,287.847 291.768,289.968 v1(291.78,289.98)
NetC7_D9_1: C7_D9.1 C12_D9.2 R54_D9.1 R55_D9.1 U3_D9.16 | length 4.9
  Top Layer w0.2: C12_D9.2@128.89,-14.9 R54_D9.1@129.8,-14.9 ; R55_D9.1@128.9,-13.9 C7_D9.1@129.81,-13.9 129.805,-13.905 129.805,-14.895 R54_D9.1@129.8,-14.9 ; U3_D9.16@130.95,-16.5 130.931,-16.481 130.931,-16.037 130.271,-15.377 130.123,-15.229 130.123,-15.223 R54_D9.1@129.8,-14.9
NetC7_D9_2: C7_D9.2 C8_D9.1 C9_D9.1 C10_D9.1 C11_D9.1 D1_D9.1 LED65_W5_A0.2 LED65_W5_A1.2 LED65_W5_A2.2 LED65_W5_A3.2 LED65_W5_A4.2 LED65_W5_A5.2 R54_D9.2 | length 521.1
  Top Layer w0.2: v1@-3.6,10.786 v1(-3.554,10.74) LED65_W5_A4.2@-1.7,10.74 LED65_W5_A4.2@-1.11,10.74 ; v1(-3.554,0.046) -3.508,0 LED65_W5_A5.2@9.041,0 LED65_W5_A5.2@9.631,0 ; v1(-3.554,2.368) -3.523,2.4 v1(145,2.4) v1(292.9,2.4) ; 126.648,-12.348 C8_D9.1@130.247,-12.348 ; C9_D9.1@127.929,-12.365 C9_D9.1@128.139,-12.575 ; C8_D9.1@130.247,-12.365 130.424,-12.365 130.6,-12.541 R54_D9.2@130.6,-14.9 ; C8_D9.1@130.424,-12.348 130.679,-12.348 130.721,-12.306 130.838,-12.306 130.988,-12.156 130.988,-12.04 140.4,-2.628 v1(140.4,-2.5) ; C8_D9.1@130.679,-12.365 C8_D9.1@130.779,-12.365 ; LED65_W5_A3.2@141.333,137.42 141.333,136.145 141.533,135.945 141.954,135.945 142.699,135.2 v1(145,135.2) 147.106,135.2 147.851,135.945 148.474,135.945 148.674,136.145 LED65_W5_A2.2@148.674,137.42 ; LED65_W5_A0.2@280.966,0 v1(293,0) ; LED65_W5_A1.2@291.117,10.74 LED65_W5_A1.2@291.707,10.74 v1(292.96,10.74)
  Bottom Layer w0.2: v1(-3.554,0.046) v1(-3.554,2.368) -3.587,2.402 -3.587,9.183 -3.554,9.216 v1(-3.554,10.74) ; v1(140.4,-2.5) 144.923,2.023 144.923,2.323 v1(145,2.4) 145,54.8 142.234,57.566 142.234,60.434 145,63.2 v1(145,135.2) ; v1(292.96,10.74) 292.96,2.46 v1(292.9,2.4) 292.95,2.35 292.95,0.05 v1(293,0)